# Altium PCB HealthSensors.PcbDoc
Units mil, origin at the board's own origin, x right, y up, seen from the top; angles counter-clockwise.
Board outline 1988.19 x 2598.43 mil, 2 copper layers (Top Layer, Bottom Layer); 154 components, 108 nets, 523 pads, 105 vias.
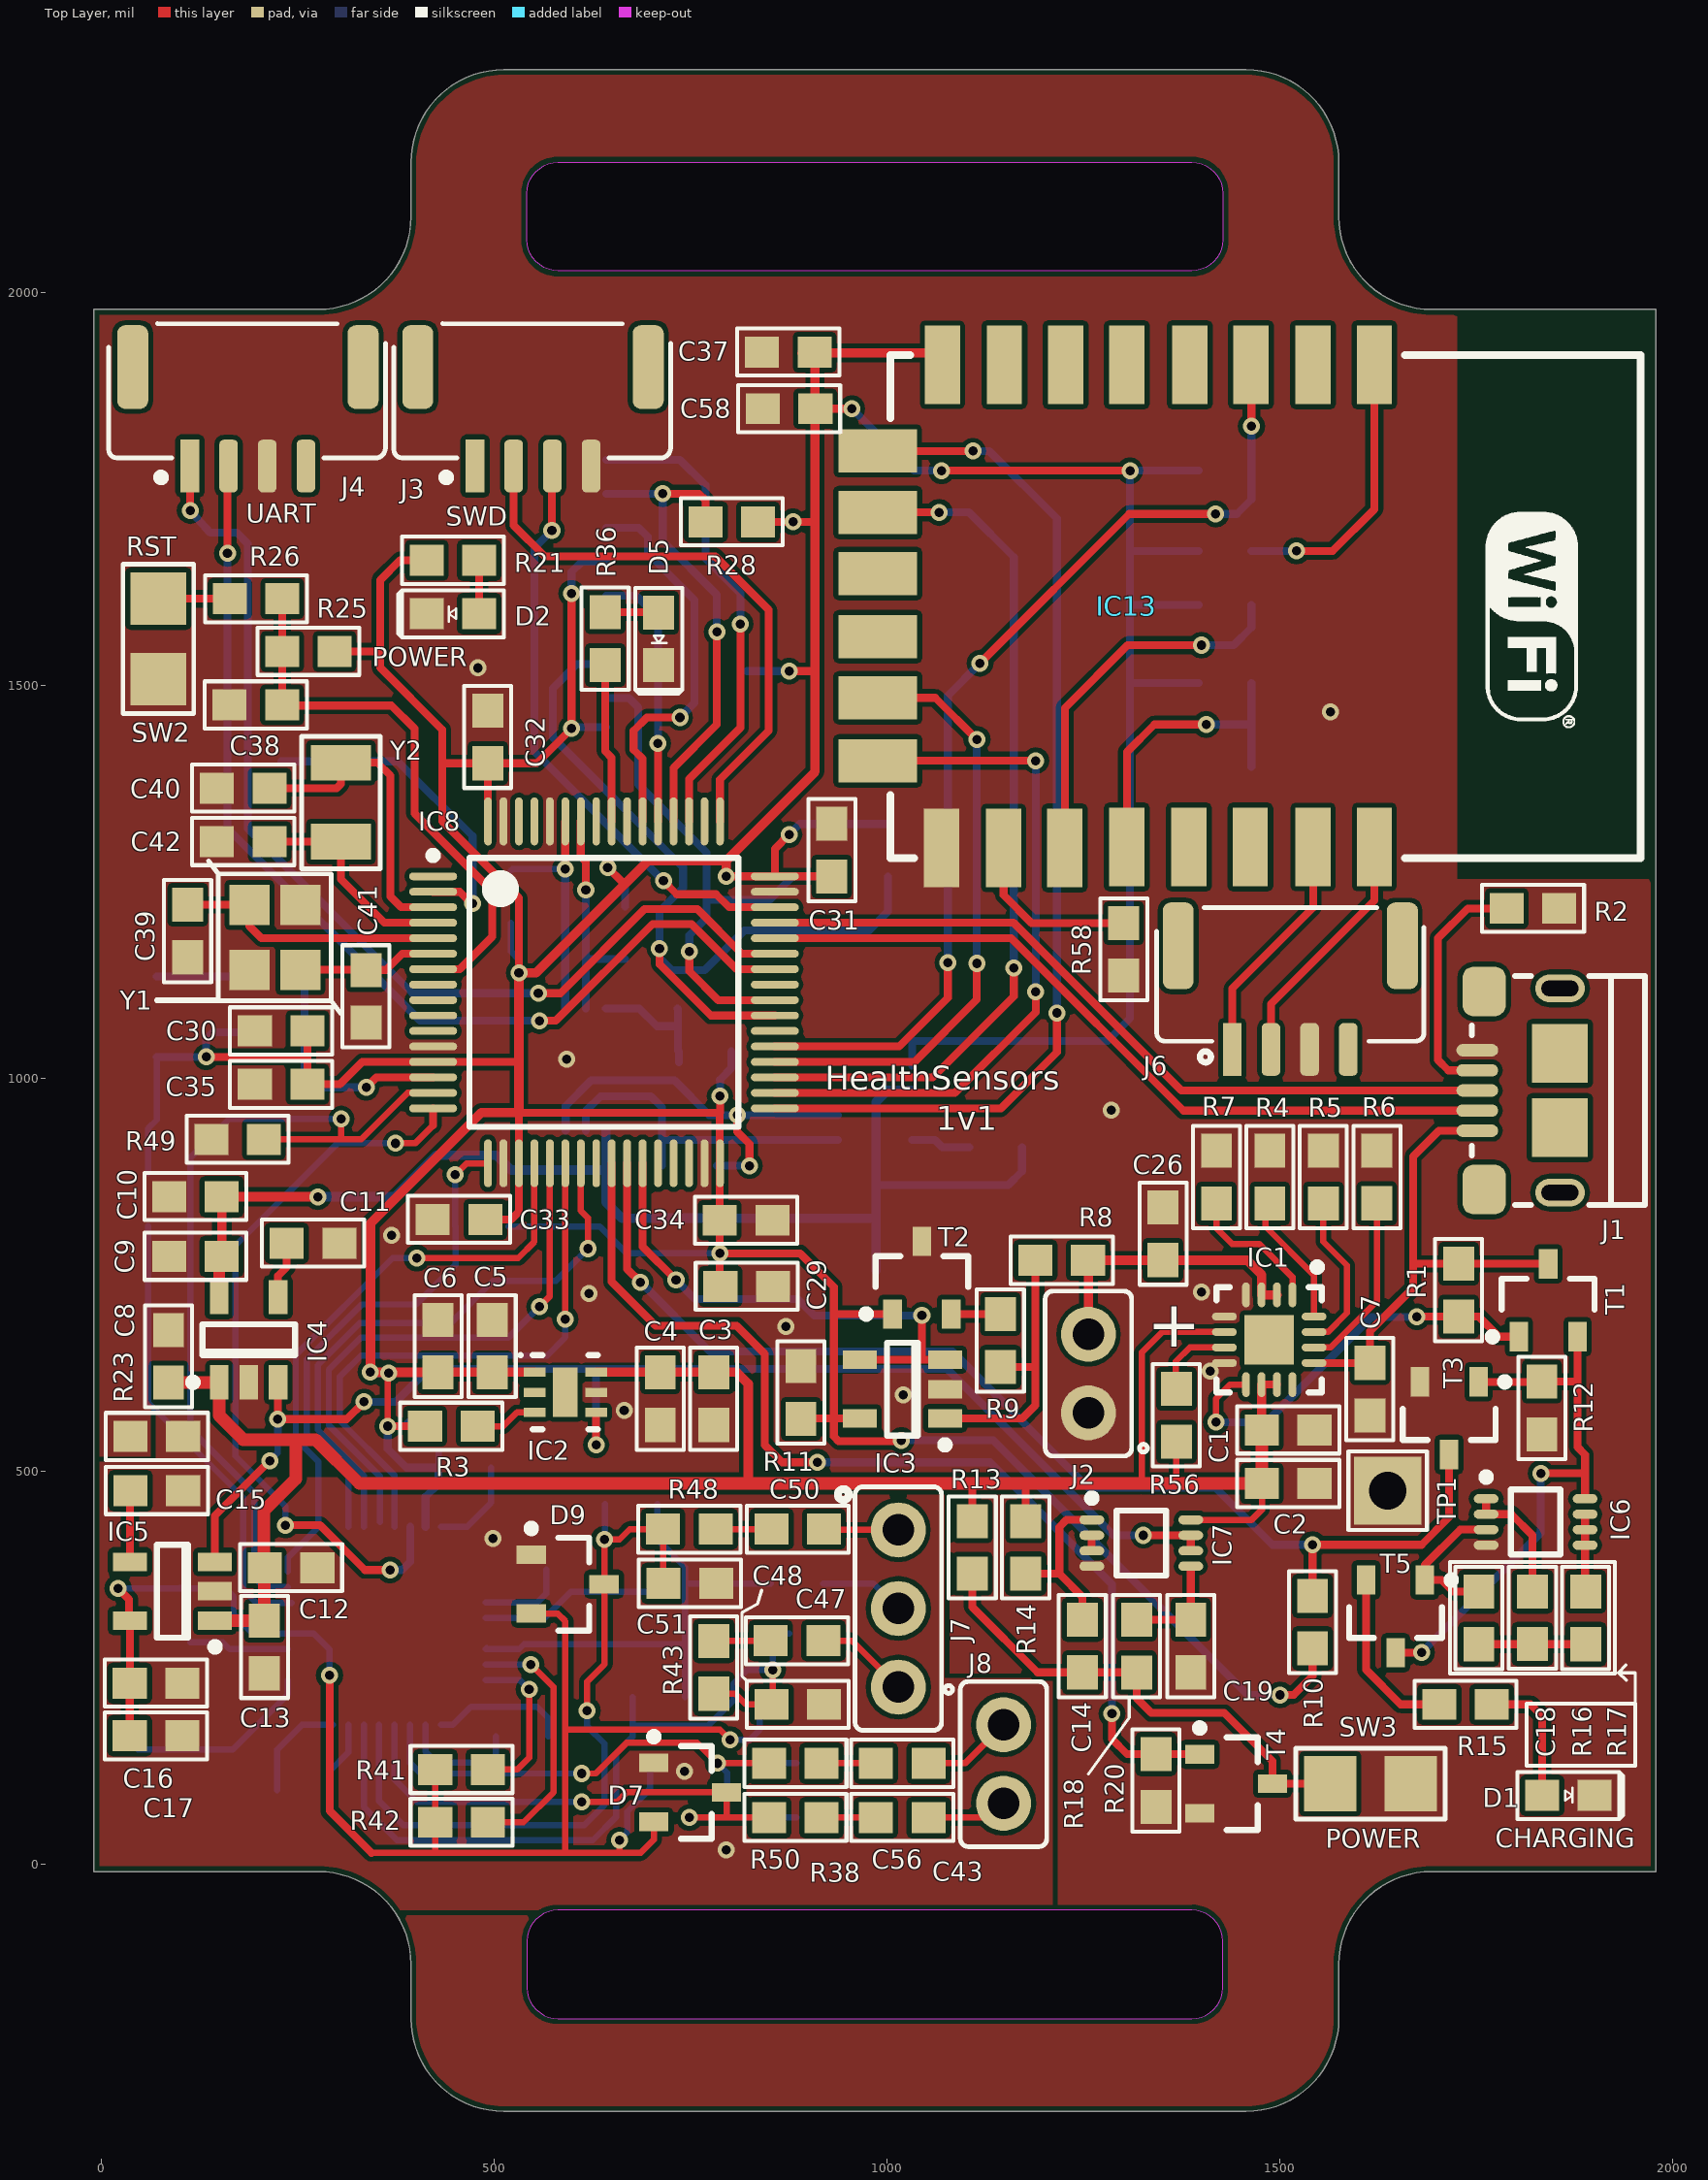
[diagram p0: Top Layer view]
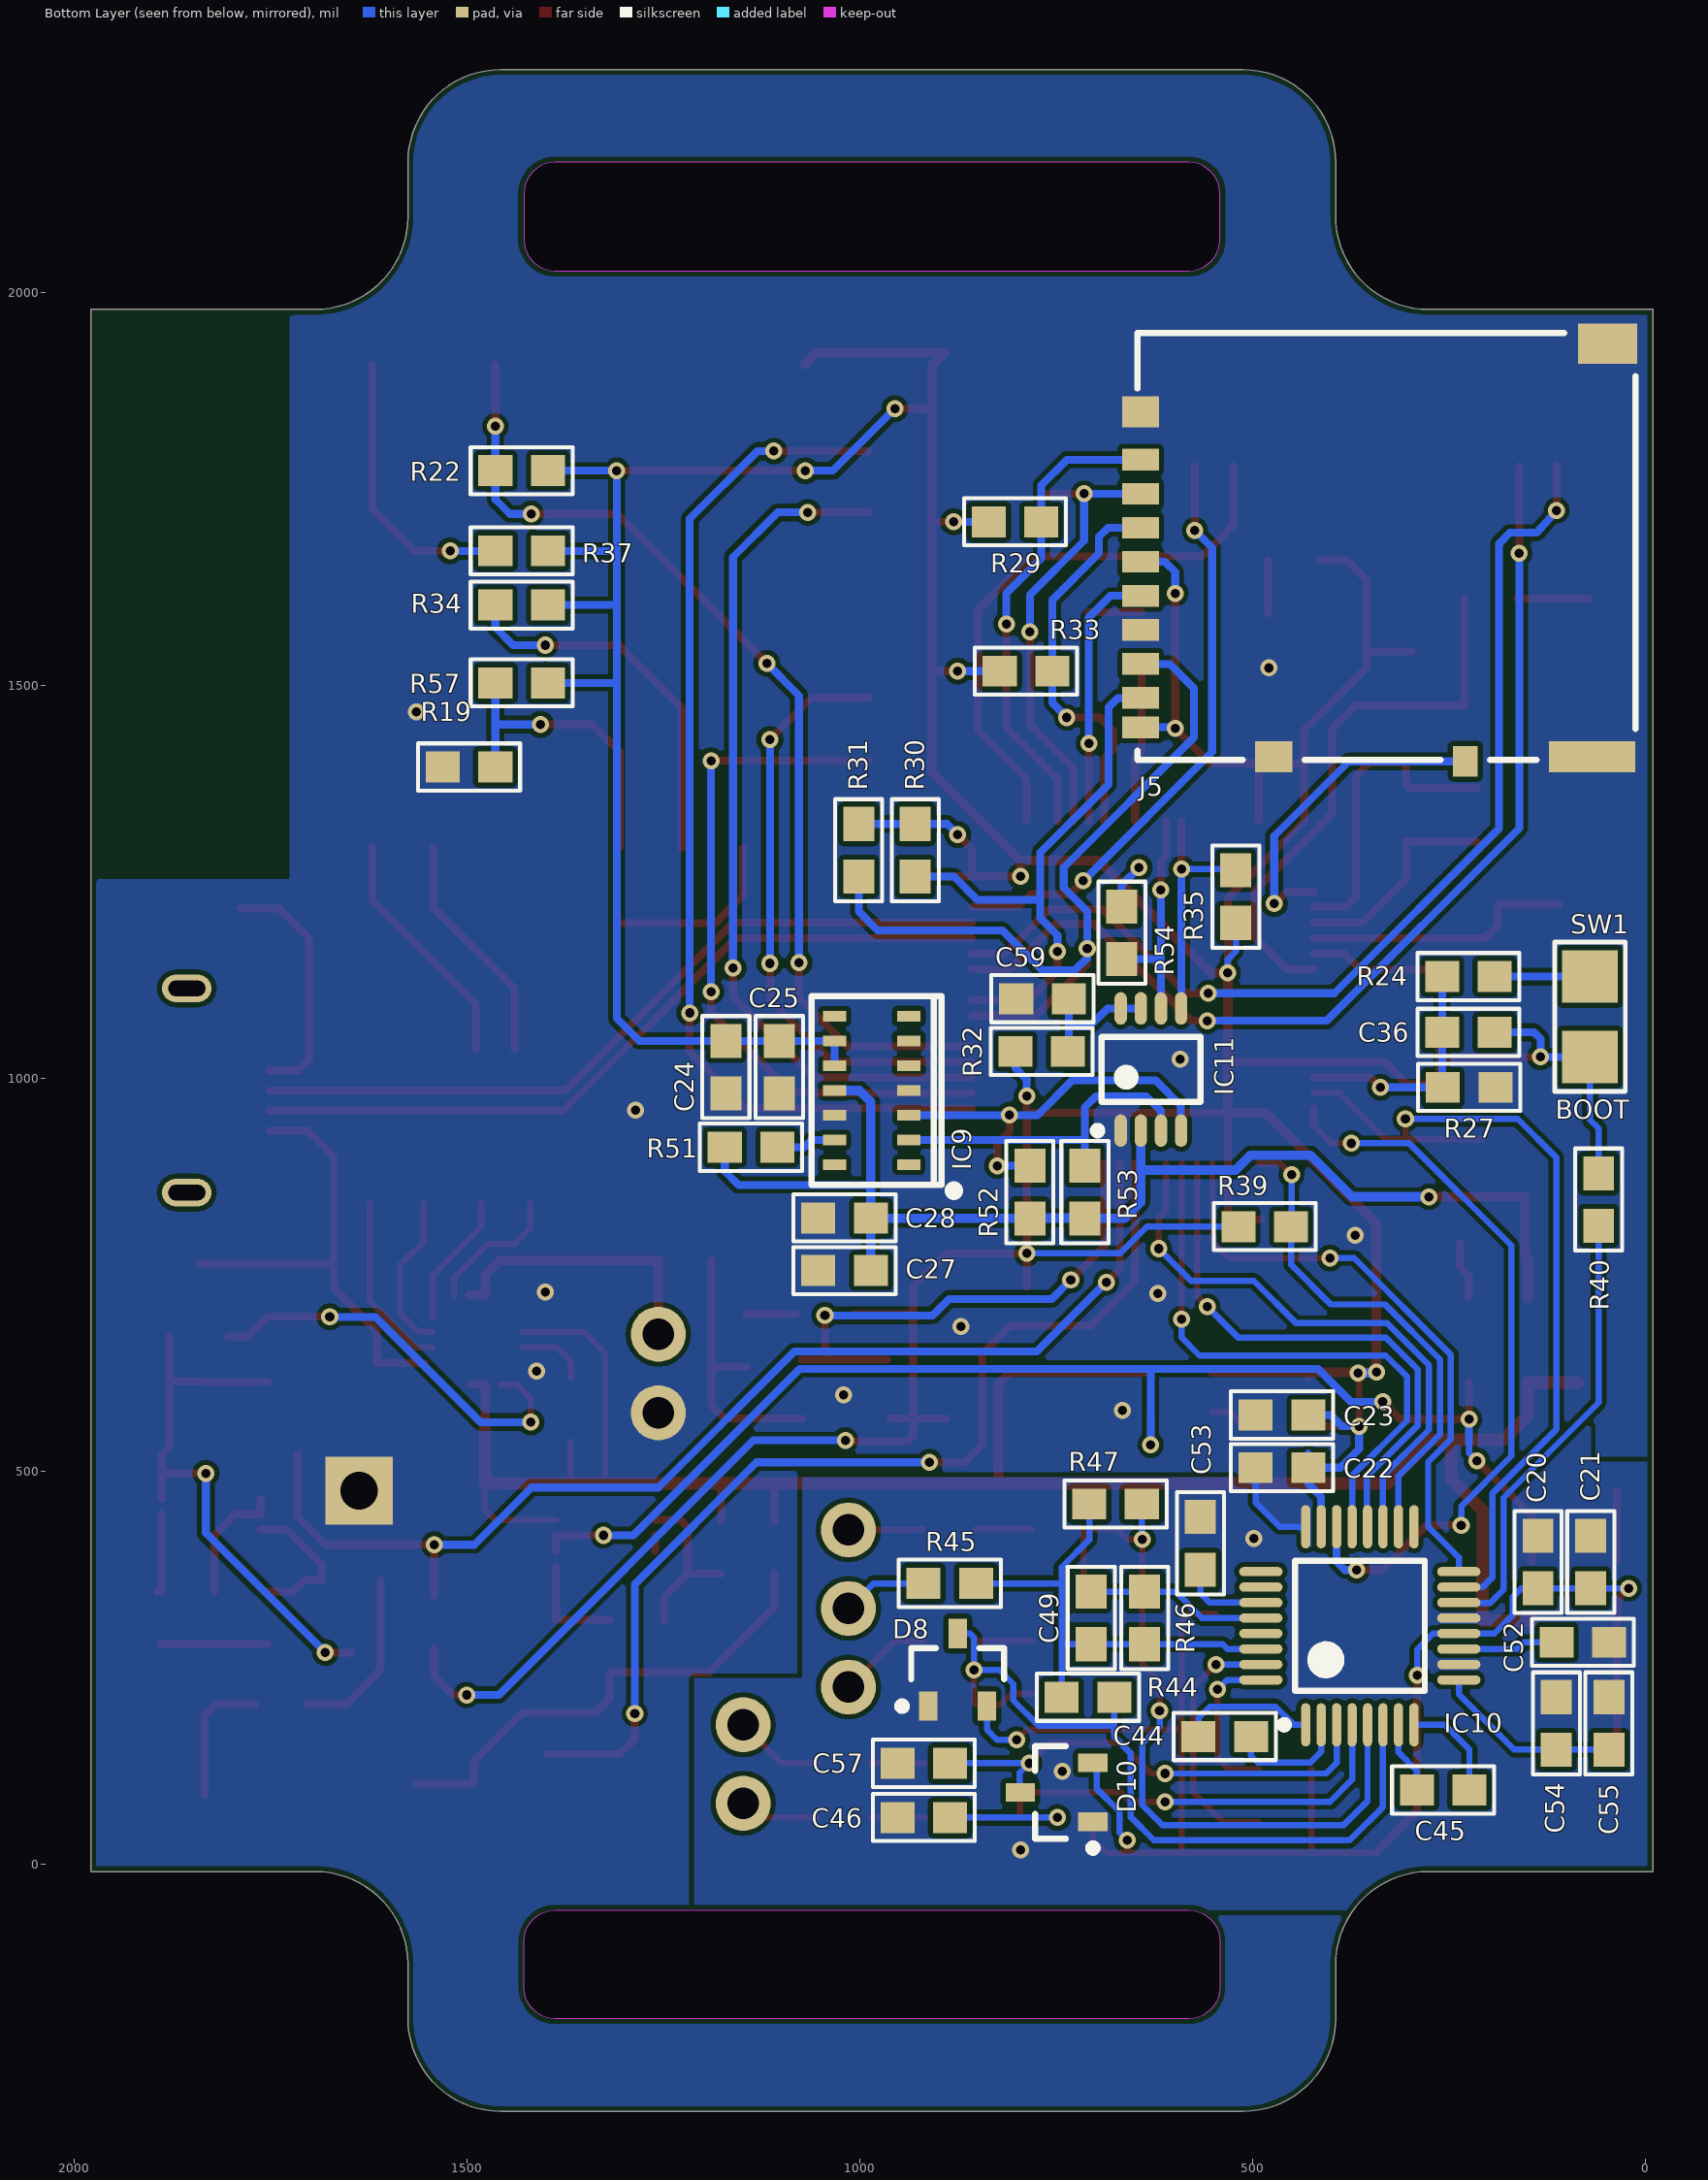
[diagram p1: Bottom Layer view, seen from below]

## Layer stack, top to bottom
Top Solder: solder mask 0.4, Solder Resist, Dk 3.5
Top Layer: signal copper 1.4
Dielectric 1: dielectric 12.6, FR-4, Dk 4.8
Bottom Layer: signal copper 1.4
Bottom Solder: solder mask 0.4, Solder Resist, Dk 3.5

## Board outline
-9.84,-9.84 275.59,-9.84 cw(c275.59,-127.95) 393.7,-127.95 393.7,-196.85 ccw(c511.81,-196.85) 511.81,-314.96 1456.69,-314.96 ccw(c1456.69,-196.85) 1574.8,-196.85 1574.8,-127.95 cw(c1692.91,-127.95) 1692.91,-9.84 1978.35,-9.84 1978.35,1978.35 1692.91,1978.35 cw(c1692.91,2096.46) 1574.8,2096.46 1574.8,2165.35 ccw(c1456.69,2165.35) 1456.69,2283.46 511.81,2283.46 ccw(c511.81,2165.35) 393.7,2165.35 393.7,2096.46 cw(c275.59,2096.46) 275.59,1978.35 -9.84,1978.35
cut-out: 541.34,2066.93 541.34,2125.98 cw(c580.71,2125.98) 580.71,2165.35 1387.8,2165.35 cw(c1387.8,2125.98) 1427.17,2125.98 1427.17,2066.93 cw(c1387.8,2066.93) 1387.8,2027.56 580.71,2027.56 cw(c580.71,2066.93)
cut-out: 541.34,-157.48 ccw(c580.71,-157.48) 580.71,-196.85 1387.8,-196.85 ccw(c1387.8,-157.48) 1427.17,-157.48 1427.17,-98.43 ccw(c1387.8,-98.43) 1387.8,-59.05 1387.8,-59.06 580.71,-59.06 ccw(c580.71,-98.43) 541.34,-98.43

## Design rules (kind name [scope] priority, off if disabled: settings)
BoardOutlineClearance [All] p1: gap=6.89 ignorepadtopadclearanceinfootprint=FALSE
Clearance [All] p1: gap=6 ignorepadtopadclearanceinfootprint=FALSE
HoleSize [All] p1: absolutevalues=TRUE maxlimit=78.74 minlimit=11.81 maxpercent=80.000 minpercent=20.000
HoleToHoleClearance [All] p1: gap=7.87 allowstackedmicrovias=TRUE
MinimumSolderMaskSliver [All] p1: minsoldermaskwidth=4
PolygonConnect [All] p1: connectstyle=Direct reliefconductorwidth=10 reliefentries=4 polygonreliefangle="90 Angle" airgapwidth=10
RoutingVias [All] p1: holewidth=11.81 width=78.74 viastyle="Through Hole" minholewidth=11.81 minwidth=21.65 maxholewidth=39.37 maxwidth=21.65
SilkToSilkClearance [All] p1: silktosilkclearance=0
SilkToSolderMaskClearance [IsPad] p1: minsilkscreentomaskgap=3.94 clearancetoexposedcopper=TRUE
SolderMaskExpansion [All] p1: expansion=0
Width [All] p1: maxlimit=40 minlimit=6 preferedwidth=10
25 further rules are at their usual default settings.

## Components (designator, comment, footprint, x,y, rotation, side; value= is the part's Value field where it differs from the comment)
C1 "4.7uF" "CAP 0603" 1510.3,552.15 r180 top
C2 "100nF" "CAP 0603" 1510.3,484.15 r180 top
C3 "100nF" "CAP 0603" 779,592 r90 top
C4 "10uF" "CAP 0603" 711,592 r90 top
C5 "1uF" "CAP 0603" 497,659 r270 top
C6 "100nF" "CAP 0603" 428,659 r270 top
C7 "1uF" "CAP 0603" 1614.3,604.15 r90 top
C8 "100nF" "CAP 0603" 85,646 r270 top
C9 "2.2uF" "CAP 0603" 119.3,773.15 r0 top
C10 "100nF" "CAP 0603" 119.3,849.15 r0 top
C11 "10nF" "CAP 0603" 269,790 r180 top
C12 "100nF" "CAP 0603" 241,377 r180 top
C13 "1uF" "CAP 0603" 207,276 r90 top
C14 "1uF" "CAP 0603" 1248.3,277.15 r90 top
C15 "10nF" "CAP 0603" 70,475 r180 top
C16 "1uF" "CAP 0603" 69,230 r180 top
C17 "100nF" "CAP 0603" 69,163 r180 top
C18 "10uF" "CAP 0603" 1753,313 r90 top
C19 "1uF" "CAP 0603" 1386.3,277.15 r90 top
C20 "1uF" "CAP 0603" 136.13,384.24 r270 bottom
C21 "100nF" "CAP 0603" 69.13,384.24 r270 bottom
C22 "1uF" "CAP 0603" 462.13,504.24 r180 bottom
C23 "100nF" "CAP 0603" 462.13,571.24 r180 bottom
C24 "10uF" "CAP 0603" 1170,1014 r90 bottom
C25 "100nF" "CAP 0603" 1102,1014 r90 bottom
C26 "4.7uF" "CAP 0603" 1351,802 r270 top
C27 "4.7uF" "CAP 0603" 1019,755 r180 bottom
C28 "100nF" "CAP 0603" 1019,822 r180 bottom
C29 "4.7uF" "CAP 0603" 821,735 r180 top
C30 "1uF" "CAP 0603" 228.3,1060.15 r0 top
C31 "100nF" "CAP 0603" 929.3,1290.15 r270 top
C32 "100nF" "CAP 0603" 491.3,1434.15 r270 top
C33 "100nF" "CAP 0603" 454.83,820.15 r0 top
C34 "100nF" "CAP 0603" 820.3,819.15 r180 top
C35 "100nF" "CAP 0603" 228.3,992.15 r0 top
C36 "100nF" "CAP 0603" 224.85,1058.3 r180 bottom
C37 "10uF" "CAP 0603" 874,1924 r0 top
C38 "100nF" "CAP 0603" 196,1475 r0 top
C39 "15pF" "CAP 0603" 109.3,1187.15 r90 top
C40 "15pF" "CAP 0603" 180,1369 r0 top
C41 "15pF" "CAP 0603" 336.3,1104.15 r90 top
C42 "15pF" "CAP 0603" 180,1301 r0 top
C43 "1uF" "CAP 0603" 1019,59 r180 top
C44 "4.7nF" "CAP 0603" 535,162 r180 bottom
C45 "4.7nF" "CAP 0603" 257,94 r180 bottom
C46 "1nF" "CAP 0603" 918,59 r180 bottom
C47 "1uF" "CAP 0603" 885,284 r180 top
C48 "1nF" "CAP 0603" 886,203 r180 top
C49 "1.5nF" "CAP 0603" 705,313 r270 bottom
C50 "1uF" "CAP 0603" 886,426 r180 top
C51 "1nF" "CAP 0603" 748.54,357 r180 top
C52 "1uF" "CAP 0603" 79,282 r0 bottom
C53 "1uF" "CAP 0603" 566,408 r270 bottom
C54 "10uF" "CAP 0603" 112.87,178.76 r270 bottom
C55 "100nF" "CAP 0603" 45.87,178.76 r270 bottom
C56 "1uF" "CAP 0603" 1019,128 r180 top
C57 "1nF" "CAP 0603" 918,128 r180 bottom
C58 "100nF" "CAP 0603" 875,1852 r0 top
C59 "100pF" "CAP 0603" 767,1101 r180 bottom
D1 "Orange" "LED 0603" 1867,87 r0 top
D2 "Green" "LED 0603" 447,1591 r180 top
D5 "Green" "LED 0603" 709,1559 r270 top
D7 "BAT54S" SOT23 749,91 r0 top
D8 "BAT54S" SOT23 875,247 r90 bottom
D9 "BAT54S" SOT23 593,356 r0 top
D10 "BAT54S" SOT23 749,91 r0 bottom
IC1 "BQ24232" QFN16 1486.21,666.99 r270 top
IC2 "LP5912-3.3V" "WSON 6" 590.13,600.15 r0 top
IC3 "AS321" "SOT23, 5-Leads" 1019.3,604.15 r180 top
IC4 "TPS799" "SOT23, 5-Leads" 187,667 r90 top
IC5 "TPS79133DBVREP" "SOT23, 5-Leads" 90,347 r180 top
IC6 "SN74LVC2G132" TSSOP8 1825.3,435.15 r0 top
IC7 "SN74LVC2G132" TSSOP8 1323.31,408.31 r0 top
IC8 "STM32L162" LQFP64_L 639.3,1109.15 r0 top value=STM32L162RDT
IC9 "MAX30102" MAX30102 984.25,984.25 r0 bottom
IC10 "ADS1292" TQFP40 363,303 r90 bottom
IC11 "PCA9306" SSOP8 629,1011 r90 bottom
IC13 "ESP12-E" "ESP8266 ESP-12-E" 974,1255 r270 top
J1 "USB Micro" "FCI USB 10118193-0001LF" 1854.33,984.25 r270 top
J2 "2 pin" "HDR 1x2 2.54" 1256,624 r90 top
J3 "4 Pin GH SM" SM04B 549,1842 r180 top
J4 "4 Pin GH SM" SM04B 186,1842 r180 top
J5 "Micro SD" "HIROSE DM3AT-SF-PEJM5" 334,1661 r90 bottom
J6 "4 Pin GH" BM04B 1513,1132 r180 top
J7 "3 Pin" "HDR 1x3 2.54" 1014,325 r270 top
J8 "2 pin" "HDR 1x2 2.54" 1148,127 r270 top
R1 "10k" "RES 0603" 1727.3,730.15 r90 top
R2 "100k" "RES 0603" 1822,1216 r180 top
R3 "100k" "RES 0603" 445,557 r180 top
R4 "4.3k" "RES 0603" 1487,874 r270 top
R5 "3.6k" "RES 0603" 1555,874 r270 top
R6 "56k" "RES 0603" 1623.3,874.15 r270 top
R7 "10k" "RES 0603" 1419,874 r270 top
R8 "30k" "RES 0603" 1222,768.15 r0 top
R9 "100k" "RES 0603" 1144,666 r270 top
R10 "10k" "RES 0603" 1541.3,307.69 r270 top
R11 "100k" "RES 0603" 890,600 r270 top
R12 "10k" "RES 0603" 1833.3,580.15 r90 top
R13 "100k" "RES 0603" 1108.15,402.7 r90 top
R14 "100k" "RES 0603" 1176.15,402.7 r90 top
R15 "470" "RES 0603" 1736,203 r180 top
R16 "100k" "RES 0603" 1821.3,313.15 r90 top
R17 "51k" "RES 0603" 1889,313 r90 top
R18 "5M" "RES 0603" 1317.3,277.15 r270 top
R19 "0R" "RES 0603" 1497,1396 r180 bottom
R20 "100k" "RES 0603" 1342,106 r90 top
R21 "470" "RES 0603" 447,1659 r180 top
R22 "10k" "RES 0603" 1430,1773 r180 bottom
R23 "0R" "RES 0603" 70,544 r180 top
R24 "1k" "RES 0603" 224.85,1129.3 r180 bottom
R25 "10k" "RES 0603" 263,1543 r0 top
R26 "1k" "RES 0603" 196.3,1610.15 r180 top
R27 "10k" "RES 0603" 223.85,988.3 r0 bottom
R28 "47k" "RES 0603" 802,1708 r180 top
R29 "47k" "RES 0603" 802,1708 r180 bottom
R30 "47k" "RES 0603" 929,1290 r270 bottom
R31 "47k" "RES 0603" 1001,1290 r270 bottom
R32 "200k" "RES 0603" 768,1034 r0 bottom
R33 "47k" "RES 0603" 788,1518 r180 bottom
R34 "10k" "RES 0603" 1430,1602 r180 bottom
R35 "10k" "RES 0603" 521,1231 r270 bottom
R36 "470" "RES 0603" 640.85,1559.3 r270 top
R37 "10k" "RES 0603" 1430,1671 r180 bottom
R38 "30k" "RES 0603" 883,59 r180 top
R39 "10k" "RES 0603" 484,811 r0 bottom
R40 "10k" "RES 0603" 59,845.46 r90 bottom
R41 "10k" "RES 0603" 458,120 r180 top
R42 "10k" "RES 0603" 458,53 r180 top
R43 "30k" "RES 0603" 779,250 r270 top
R44 "10M" "RES 0603" 709,212 r0 bottom
R45 "30k" "RES 0603" 885,357 r180 bottom
R46 "1.5M" "RES 0603" 637,313 r270 bottom
R47 "10M" "RES 0603" 674,458 r0 bottom
R48 "30k" "RES 0603" 748,426 r180 top
R49 "10k" "RES 0603" 173,922 r0 top
R50 "30k" "RES 0603" 883,128 r180 top
R51 "10k" "RES 0603" 1138,912 r0 bottom
R52 "10k" "RES 0603" 783,855 r270 bottom
R53 "10k" "RES 0603" 713,855 r270 bottom
R54 "10k" "RES 0603" 666,1185 r90 bottom
R56 "10k" "RES 0603" 1368,571 r270 top
R57 "10k" "RES 0603" 1430,1503 r180 bottom
R58 "10k" "RES 0603" 1301,1164 r90 top
SW1 "BUTTON-NO" "SW OMRON" 70,1078 r90 bottom
SW2 "BUTTON-NO" "SW OMRON" 72,1559 r270 top
SW3 "BUTTON-NO" "SW OMRON" 1615,102 r0 top
T1 "BSS84" SOT23 1841.3,717.15 r90 top
T2 "2N7002" SOT23 1044,746 r90 top
T3 "2N7002" SOT23 1715.3,567.15 r270 top
T4 "2N7002" SOT23 1444,102 r0 top
T5 "2N7002" SOT23 1647,315 r270 top
TP1 "Test Point" "TP THT 48MILS" 1637,475 r0 top
Y1 "24MHz" "RESONATOR ILCX13" 219.3,1179.15 r270 top
Y2 "32kHz" "RESONATOR CFPX–217" 304.3,1351.15 r90 top

## Footprints (in the part's own frame and the unit in brackets; to place one, negate y for a bottom-side part, rotate by r counter-clockwise, add the part's x,y. Pads: shape width x height; smd on the part's side, far side on the other; paste and mask are expansions set on the pad)
BM04B [mm]
  rect 0.6x1.7 smd: 1(1.875,2.425)
  rrect50% 0.6x1.7 smd: 2(0.625,2.425) 3(-0.625,2.425) 4(-1.875,2.425)
  rrect50% 1x2.8 smd: 5(-3.625,-0.925) 6(3.625,-0.925)
  silkscreen extent -4.32,-2.16 4.32,2.84, body extent -4.15,-2.02 4.12,2.73, height 4
"CAP 0603" [mm] "Chip Capacitor, 2-Leads"
  rect 1.1x1 smd: 1(-0.85,0) 2(0.85,0)
  silkscreen extent -1.65,-0.76 1.65,0.76, body extent -0.8,-0.4 0.8,0.4, height 0.8
"ESP8266 ESP-12-E" [mil] "ESP8266 ESP-12-E"
  rect 100x45 smd: 1(-653,646) 2(-653,568) 3(-653,489) 4(-653,411) 5(-653,331) 6(-653,253) 7(-653,175) 8(-653,96) 15(-38,95) 16(-38,174) 17(-38,252) 18(-39,331) 19(-39,410) 20(-39,488) 21(-39,568) 22(-39,646)
  rect 55x100 smd: 9(-543,14) 10(-465,14) 11(-387,14) 12(-307,14) 13(-229,14) 14(-149,14)
  silkscreen extent -665,30 -25,985, body extent -659,33 -29,979, height 150
"FCI USB 10118193-0001LF" [mm] "USB 2.0 Type B Micro"
  oval 0.4x1.35 smd: 1(1.3,-2.625) 2(0.65,-2.625) 3(0,-2.625) 4(-0.65,-2.625) 5(-1.3,-2.625)
  oval 0.9x1.6 hole 0.5 slot 1.2 at 90 deg: S(-3.3,0.05) S(3.3,0.05)
  rrect50% 1.6x1.4 smd: S(-3.2,-2.4) S(3.2,-2.4)
  rect 1.9x1.8 smd: S(-1.2,0.05) S(1.2,0.05)
  silkscreen extent -3.7,-2.8 3.7,2.8, body extent -3.93,-2.9 3.93,2.76, height 2.78
"HDR 1x2 2.54" [mil]
  round 70 hole 40: 1(-50,0) 2(50,0)
  silkscreen extent -105,-75 105,55, body extent -100,-47 100,47, height 339
"HDR 1x3 2.54" [mil]
  round 70 hole 40: 1(-100,0) 2(0,0) 3(100,0)
  silkscreen extent -155,-77 155,55, body extent -150,-47 149,47, height 339
"HIROSE DM3AT-SF-PEJM5" [mm]
  rect 0.7x1.2 smd: 1(3.2,7.825) 2(2.1,7.825) 3(1,7.825) 4(-0.1,7.825) 5(-1.2,7.825) 6(-2.3,7.825) 7(-3.4,7.825) 8(-4.5,7.825) 9(-5.45,7.825)
  rect 1x0.8 smd: 10(-6.55,-2.675)
  rect 1x2.8 smd: S(-6.4,-6.775)
  rect 1x1.2 smd: S(-6.4,3.525) S(4.75,7.825)
  rect 1.3x1.9 smd: S(6.95,-7.275)
  silkscreen extent -6.5,-8.18 7.3,7.93, body extent -6.53,-8.17 7.32,7.98, height 1.68
"LED 0603" [mm] "Chip Diode, 2-Leads"
  rect 1.1x1 smd: 1(-0.85,0) 2(0.85,0)
  silkscreen extent -1.65,-0.76 1.78,0.76, body extent -0.8,-0.4 0.8,0.4, height 0.53
LQFP64_L [mm] "Thin QFP, 64-Leads, Body 10x10mm, Pitch 0.5mm, IPC High Density"
  oval 1.55x0.25 smd: 1(-5.525,3.75) 2(-5.525,3.25) 3(-5.525,2.75) 4(-5.525,2.25) 5(-5.525,1.75) 6(-5.525,1.25) 7(-5.525,0.75) 8(-5.525,0.25) 9(-5.525,-0.25) 10(-5.525,-0.75) 11(-5.525,-1.25) 12(-5.525,-1.75) 13(-5.525,-2.25) 14(-5.525,-2.75) 15(-5.525,-3.25) 16(-5.525,-3.75) 33(5.525,-3.75) 34(5.525,-3.25) 35(5.525,-2.75) 36(5.525,-2.25) 37(5.525,-1.75) 38(5.525,-1.25) 39(5.525,-0.75) 40(5.525,-0.25) 41(5.525,0.25) 42(5.525,0.75) 43(5.525,1.25) 44(5.525,1.75) 45(5.525,2.25) 46(5.525,2.75) 47(5.525,3.25) 48(5.525,3.75)
  oval 0.25x1.55 smd: 17(-3.75,-5.525) 18(-3.25,-5.525) 19(-2.75,-5.525) 20(-2.25,-5.525) 21(-1.75,-5.525) 22(-1.25,-5.525) 23(-0.75,-5.525) 24(-0.25,-5.525) 25(0.25,-5.525) 26(0.75,-5.525) 27(1.25,-5.525) 28(1.75,-5.525) 29(2.25,-5.525) 30(2.75,-5.525) 31(3.25,-5.525) 32(3.75,-5.525) 49(3.75,5.525) 50(3.25,5.525) 51(2.75,5.525) 52(2.25,5.525) 53(1.75,5.525) 54(1.25,5.525) 55(0.75,5.525) 56(0.25,5.525) 57(-0.25,5.525) 58(-0.75,5.525) 59(-1.25,5.525) 60(-1.75,5.525) 61(-2.25,5.525) 62(-2.75,5.525) 63(-3.25,5.525) 64(-3.75,5.525)
  silkscreen extent -5.65,-4.35 4.35,4.55, body extent -5,-5 5,5, height 1.6
MAX30102 [mm]
  rect 0.75x0.35 smd mask+0: 1(-1.2,2.4) 2(-1.2,1.6) 3(-1.2,0.8) 4(-1.2,0) 5(-1.2,-0.8) 6(-1.2,-1.6) 7(-1.2,-2.4) 8(1.2,-2.4) 9(1.2,-1.6) 10(1.2,-0.8) 11(1.2,0) 12(1.2,0.8) 13(1.2,1.6) 14(1.2,2.4)
  silkscreen extent -2.65,-3.05 1.95,3.25, body extent -1.65,-2.8 1.65,2.8, height 1
QFN16 [mm] "QFN, 16-Leads, Body 3.00x3.00mm, Pitch 0.50mm, Thermal Pad 1.68x1.68mm, IPC Medium Density"
  oval 0.8x0.25 smd: 1(-1.45,0.75) 2(-1.45,0.25) 3(-1.45,-0.25) 4(-1.45,-0.75) 9(1.45,-0.75) 10(1.45,-0.25) 11(1.45,0.25) 12(1.45,0.75)
  oval 0.25x0.8 smd: 5(-0.75,-1.45) 6(-0.25,-1.45) 7(0.25,-1.45) 8(0.75,-1.45) 13(0.75,1.45) 14(0.25,1.45) 15(-0.25,1.45) 16(-0.75,1.45)
  rect 1.6x1.6 smd: 17(0,0)
  silkscreen extent -2.47,-1.7 1.7,1.7, body extent -1.55,-1.55 1.55,1.55, height 1
"RES 0603" [mm] "Chip Resistor, 2-Leads"
  rect 1.1x1 smd: 1(-0.85,0) 2(0.85,0)
  silkscreen extent -1.65,-0.76 1.65,0.76, body extent -0.8,-0.4 0.8,0.4, height 0.35
"RESONATOR CFPX–217" [mm] "RESONATOR, CFPX–217, 32k"
  rect 1.15x1.95 smd: 1(-1.275,0) 2(1.275,0)
  silkscreen extent -2.15,-1.27 2.12,1.27, body extent -1.57,-0.8 1.63,0.8, height 0.55
"RESONATOR ILCX13" [mm] "RESONATOR, ILCX13, 20MHz"
  rect 1.3x1.3 smd: 1(-1.05,-0.8) 2(1.05,-0.8) 3(1.05,0.85) 4(-1.05,0.85)
  silkscreen extent -2.47,-2.12 2.47,2.17, body extent -1.55,-1.25 1.5,1.35, height 0.55
SM04B [mm]
  rect 0.6x1.7 smd: 1(1.875,1.6)
  rrect50% 0.6x1.7 smd: 2(0.625,1.6) 3(-0.625,1.6) 4(-1.875,1.6)
  rrect50% 1x2.7 smd: M1(3.725,-1.6) M2(-3.725,-1.6)
  silkscreen extent -4.45,-3 4.5,2.05, body extent -4.16,-2.82 4.15,1.91, height 4.25
SOT23 [mm] "SOT23, 3-Leads, Body 2.90x2.40mm, Pitch 0.95mm, IPC Medium Density"
  rect 0.95x0.6 smd: 1(-1.175,0.95) 2(-1.175,-0.95) 3(1.175,0)
  silkscreen extent -1.3,-1.5 0.7,1.92, body extent -0.7,-1.5 0.7,1.5, height 1.1
"SOT23, 5-Leads" [mm] "SOT23, 5-Leads, Body 2.88x2.80mm, Pitch 0.95mm, IPC Medium Density"
  rect 1.1x0.6 smd: 1(-1.375,0.95) 2(-1.375,0) 3(-1.375,-0.95) 4(1.375,-0.95) 5(1.375,0.95)
  silkscreen extent -1.5,-1.5 0.5,1.92, body extent -0.88,-1.5 0.87,1.5, height 1.45
SSOP8 [mm]
  oval 1.05x0.4 smd: 1(-1.975,0.975) 2(-1.975,0.325) 3(-1.975,-0.325) 4(-1.975,-0.975) 5(1.975,-0.975) 6(1.975,-0.325) 7(1.975,0.325) 8(1.975,0.975)
  silkscreen extent -2.1,-1.6 1.05,1.85, body extent -1.45,-1.6 1.45,1.6, height 1.3
"SW OMRON" [mm] "SWITCH, OMRON, SMALL"
  rect 1.7x1.8 smd mask+0: 1(-1.3,0) 2(1.3,0)
  silkscreen extent -2.41,-1.14 2.41,1.14, body extent -1.51,-1.25 1.49,1.25, height 1.6
"TP THT 48MILS" [mil]
  rect 86x86 hole 48: 1(0,0)
  silkscreen extent -50,-50 50,50
TQFP40 [mm] "TSQFP, 32-Leads, Body 5.00x5.00mm, Pitch 0.50mm, IPC Medium Density"
  oval 1.4x0.3 smd: 1(-3.2,1.75) 2(-3.2,1.25) 3(-3.2,0.75) 4(-3.2,0.25) 5(-3.2,-0.25) 6(-3.2,-0.75) 7(-3.2,-1.25) 8(-3.2,-1.75) 17(3.2,-1.75) 18(3.2,-1.25) 19(3.2,-0.75) 20(3.2,-0.25) 21(3.2,0.25) 22(3.2,0.75) 23(3.2,1.25) 24(3.2,1.75)